# Allegro board RK_EVB7_RK3588_LP4XD200P232SD8_V11_20230111YWQ.brd (continued)
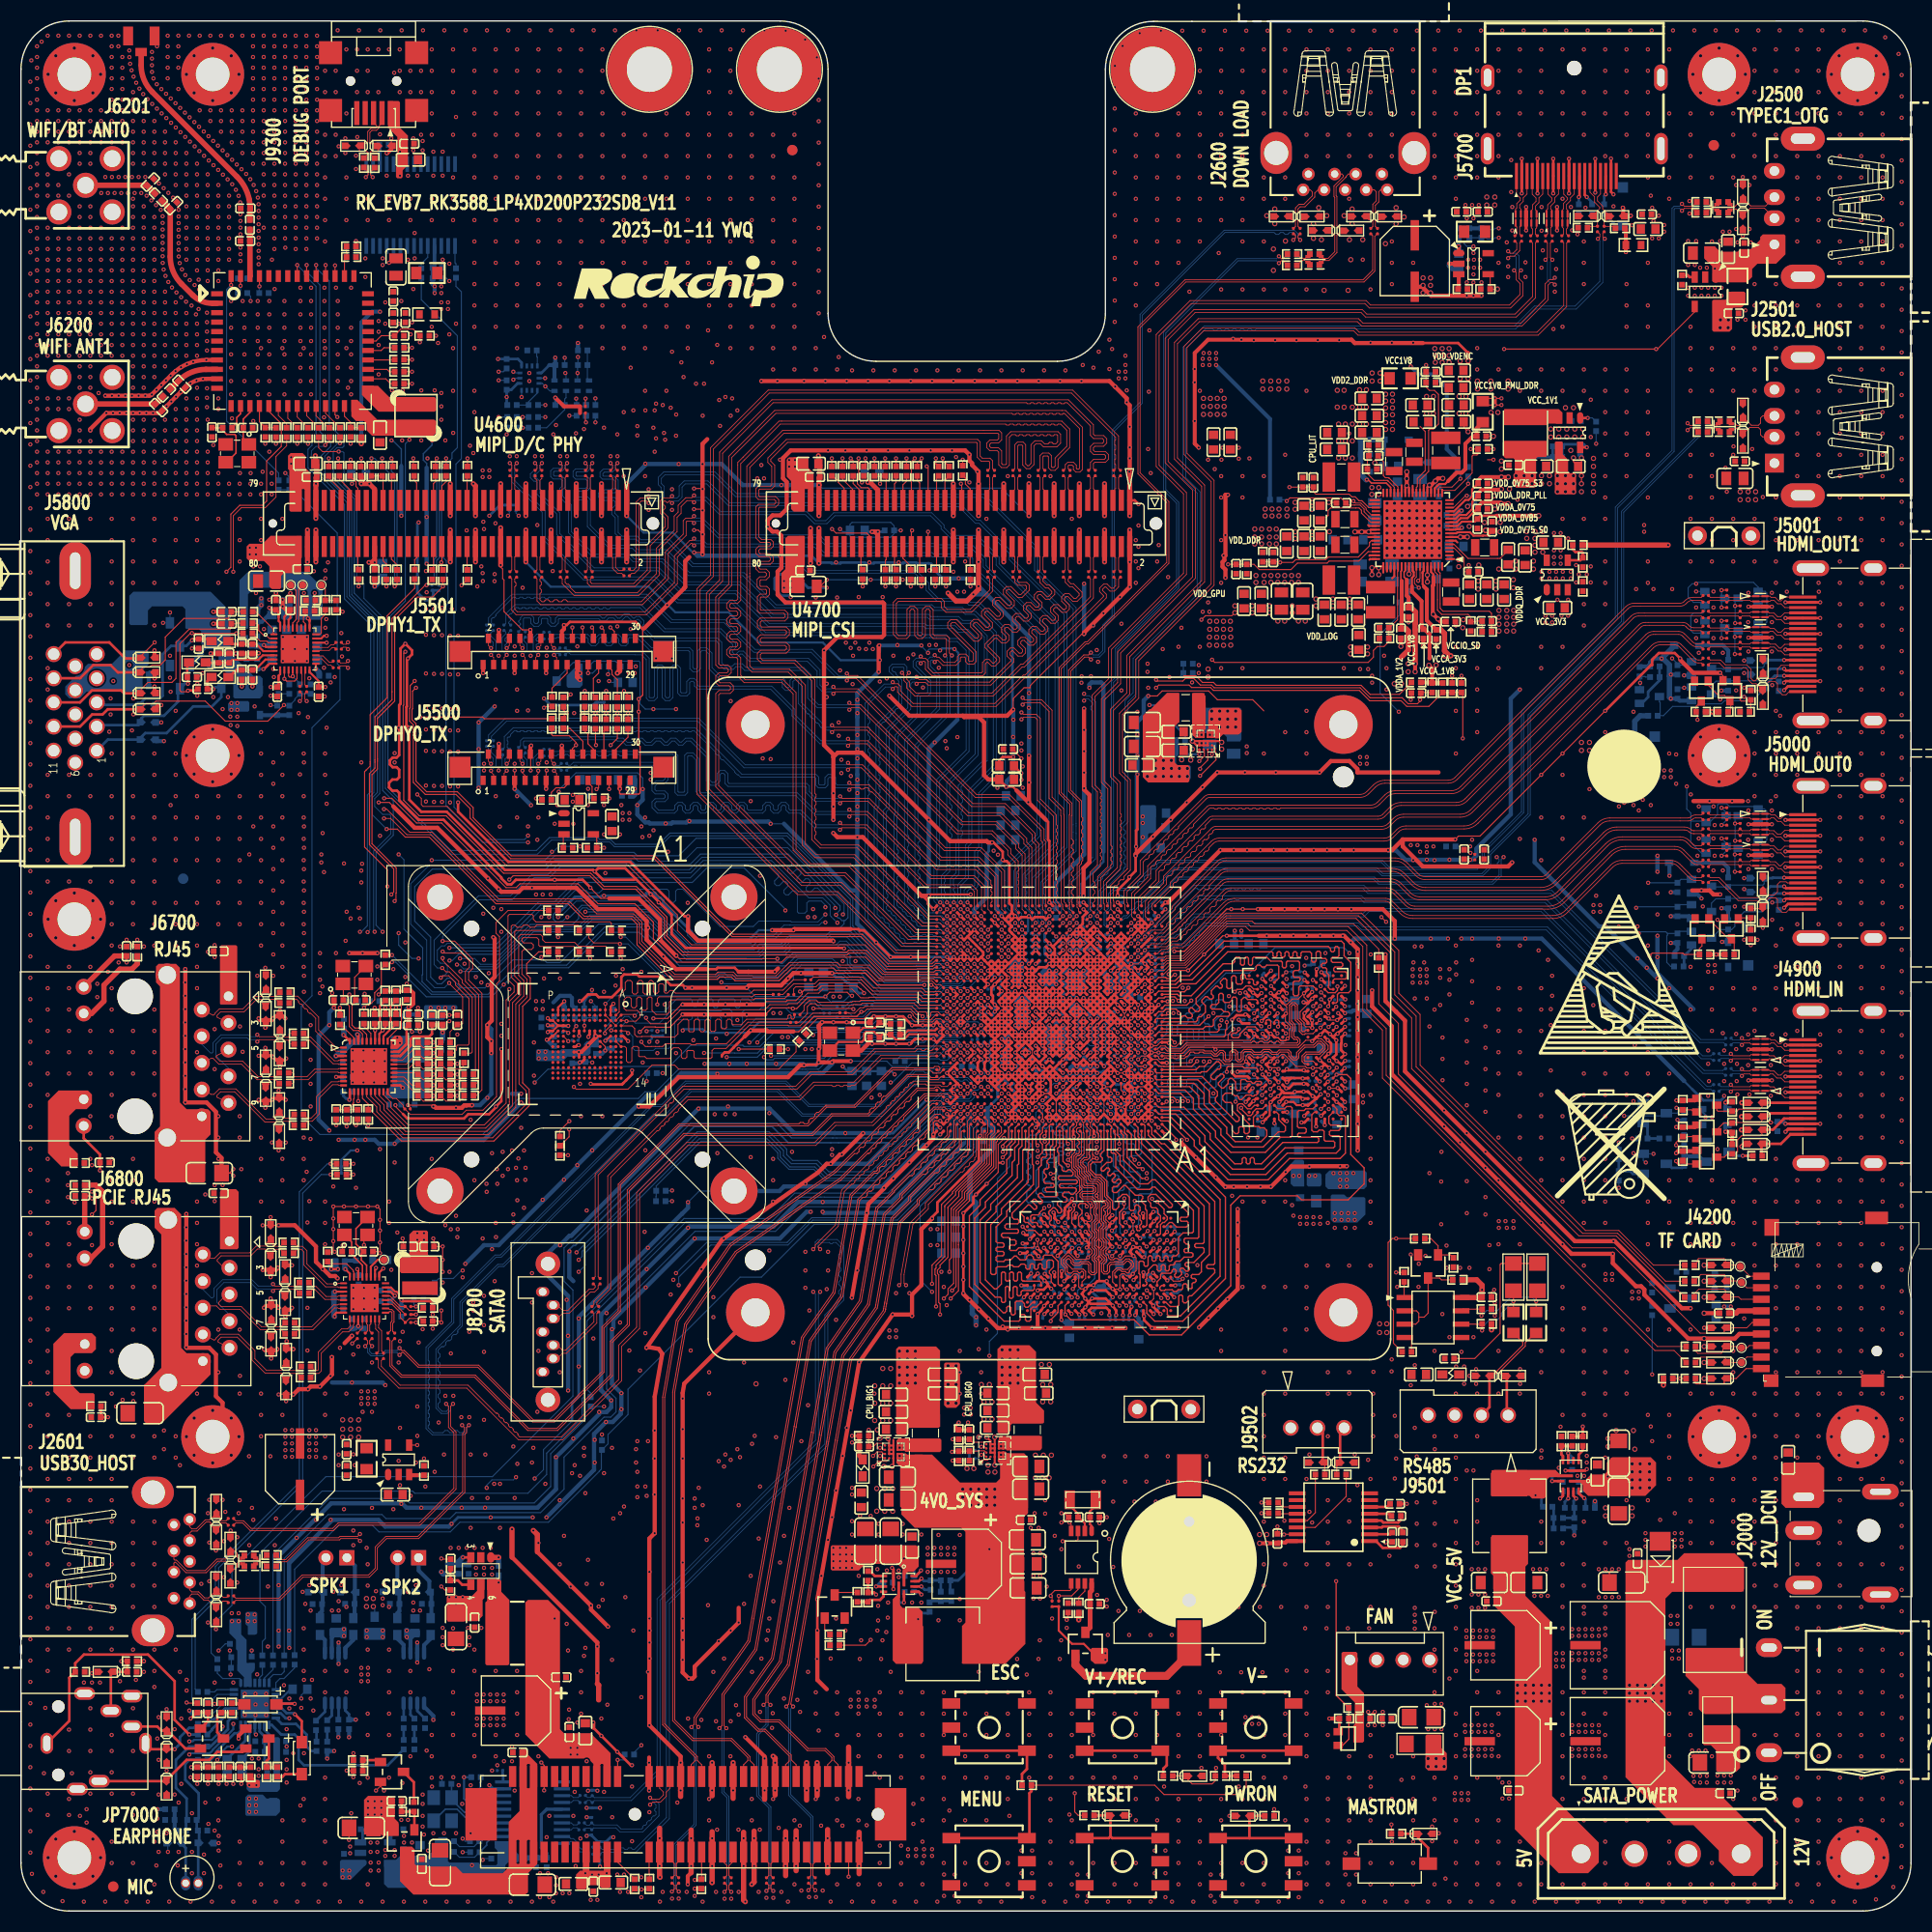
[diagram p0: board, top side]
## Routing (per net, layer and track width the routed paths; a pad name or vN(x,y) marks a point on that pad's centre or on a via; arc(x,y) is an arc through that point) (continued)
UART2_TX_M0_DEBUG: length 130.6
  TOP w0.089: U1000.P29 90.47,82.73 v1(90.79,82.4)
  L3-POWER1 w0.104: v1(48.29,101.77) 48.02,101.5 48.02,98.89 48.04,98.86 48.04,98.55 48.04,97.59 47.54,97.09 47.54,91.91 47.89,91.55 47.89,88.58 48.17,88.3 48.17,85.65 48.17,85.65 48.17,80.04 48.67,79.54 48.79,79.54 48.79,79.56 v1(48.85,79.56)
  L6-S2 w0.089: v1(90.79,82.4) 90.47,82.08 90.47,81.62 90.28,81.43 88.71,81.43 88.39,81.11 88.37,81.09 86.42,81.09
  L6-S2 w0.104: 86.42,81.09 80.04,81.09 78.43,79.48 75.27,79.48 73.45,77.66 51.06,77.66 49.16,79.56 v1(48.85,79.56)
  BOTTOM w0.104: R9301.1 38.13,153.46 41.55,150.03 41.55,139.36 41.05,138.85 41.05,138.34 40.06,137.36 40.06,129.04 40.5,128.6 40.5,126.95 40.67,126.79 40.67,124.5 40.48,124.32 40.48,124.28 40.49,124.28 40.49,123.96 40.48,123.96 40.48,105.25 43.97,101.77 v1(48.29,101.77)
UART3_RX_M2: length 173.9
  TOP w0.089: v1(91.44,94.1) U1000.AL27
  TOP w0.104: R9521.2 v1(118.14,37.89)
  L3-POWER1 w0.089: 90.45,96.28 91.12,95.61 91.12,94.51 91.44,94.18 v1(91.44,94.1)
  L3-POWER1 w0.104: v1(118.14,37.89) 117.75,38.27 117.75,39.16 117.88,39.28 123.6,39.28 128.04,43.73 128.04,49.77 129.84,51.57 129.84,52.77 131.6,54.52 131.6,57.44 130.25,58.8 130.25,63.57 130.12,63.7 130.12,64.4 130.27,64.55 130.27,89.78 129.09,90.96 129.09,91.64 128.24,92.49 128.24,102.08 128.8,102.65 128.8,110.4 127.76,111.44 127.76,118.05 v1(127.53,118.28) ; v1(81.13,120.18) 80.8,119.85 80.8,108.66 88.52,100.94 88.52,98.36 90.07,96.81 90.07,96.69 90.07,96.69 90.07,96.66 90.45,96.28
  L6-S2 w0.104: v1(81.13,120.18) 81.26,120.06 83.11,120.06 84.3,118.87 84.99,118.87 85.83,118.03 87.56,118.03 88.52,118.99 101.17,118.99 101.49,118.66 102.35,118.66 102.42,118.59 105.37,118.59 106.18,119.4 109.01,119.4 110.45,117.96 110.45,117.56 111.37,116.63 125.88,116.63 v1(127.53,118.28)
UART3_TX_M2: length 175.2
  TOP w0.089: U1000.AK27 v1(91.44,93.45)
  TOP w0.104: R9522.2 v1(118.14,38.9)
  L3-POWER1 w0.089: v1(91.44,93.45) 91.12,93.78 91.12,94.24 90.93,94.43 90.66,94.43 90.47,94.62 90.47,94.89 90.28,95.08 90.01,95.08 89.82,95.27 89.82,96.28 89.81,96.28
  L3-POWER1 w0.104: v1(80.48,120.18) 80.56,120.09 80.56,108.57 88.29,100.84 88.29,98.21 89.81,96.69 89.81,96.28 ; v1(128.3,118.28) 128.02,118 128.02,111.55 129.05,110.52 129.05,102.57 128.47,101.99 128.47,92.62 129.33,91.76 129.33,91.1 130.5,89.93 130.5,64.45 130.35,64.3 130.35,63.8 130.48,63.67 130.48,58.95 131.85,57.57 131.85,54.4 130.07,52.62 130.07,51.48 128.3,49.7 128.3,43.6 123.6,38.9 v1(118.14,38.9)
  L6-S2 w0.104: v1(80.48,120.18) 80.88,119.78 82.22,119.78 83.36,118.64 84.88,118.64 85.73,117.79 87.67,117.79 88.63,118.75 100.51,118.75 100.84,118.43 102.25,118.43 102.32,118.36 105.52,118.36 106.33,119.17 108.91,119.17 110.21,117.86 110.21,117.46 111.28,116.4 126.42,116.4 v1(128.3,118.28)
UART9_CTSN_M0_BT: length 120.7
  TOP w0.089: 77.39,89.8 77.62,89.58 80.54,89.58 81.53,88.59 81.75,88.59 86.75,88.59 87.12,88.22 87.57,88.22 U1000.AB33
  TOP w0.104: 77.39,89.8 73.41,89.8 72.21,88.61 68,88.61 67.67,88.94 66.54,88.94 66.34,88.73 61.96,88.73 58.67,92.02 58.67,93.99 58.15,94.51 53.51,94.51 52.1,95.93 45.24,95.93 38.89,102.28 36.6,102.28 35.84,103.04 v1(34.82,103.04) ; U6200.42 v1(27.21,156.76)
  BOTTOM w0.104: v1(27.21,156.76) 27.21,156.12 28.47,154.85 28.47,140.88 29.49,139.87 29.49,139.49 28.6,138.6 28.6,136.98 31.27,134.31 31.27,125.26 33.7,122.83 33.93,122.6 33.93,106.52 33.45,106.04 33.45,104.41 v1(34.82,103.04)
UART9_RTSN_M0_BT: length 134.2
  TOP w0.089: U1000.AB34 87.08,87.93 86.82,88.19 v1(86.69,88.19)
  TOP w0.104: U6200.43 v1(26.31,156.76)
  L6-S2 w0.104: v1(41.85,89.49) 41.85,88.72 41.05,87.93 39.65,87.93 38.89,88.69 38.89,90.97 38.24,91.62 33.92,91.62 v1(32.28,93.26)
  BOTTOM w0.089: 86.45,88.43 v1(86.69,88.19)
  BOTTOM w0.104: 86.45,88.43 86.36,88.52 85.91,88.52 85.76,88.38 85.62,88.38 85.59,88.41 82.22,88.41 78.56,92.07 78.01,92.07 77.7,91.76 73.45,91.76 72.8,91.1 71.02,91.1 70.55,90.63 63.36,90.63 59.59,94.4 54.38,94.4 53.24,93.26 48.79,93.26 45.24,89.7 43.71,89.7 43.5,89.49 v1(41.85,89.49) ; v1(26.31,156.76) 26.98,156.09 26.98,155.84 28.09,154.73 28.09,140.28 27.71,139.9 27.71,139.58 27.33,139.2 27.33,137.44 30.81,133.96 30.81,124.96 33.3,122.47 33.3,106.59 32.99,106.28 32.99,93.84 32.41,93.26 v1(32.28,93.26)
UART9_RX_M0_BT: length 119.1
  TOP w0.089: v1(89.49,88.9) U1000.AC30
  TOP w0.104: U6200.40 v1(29.01,156.76)
  L3-POWER1 w0.086: v1(89.49,88.9) 89.17,89.23 88.71,89.23 88.52,89.42 88.52,89.69 88.32,89.88 88.06,89.88 87.87,90.07 87.87,90.34 87.88,90.35 87.88,90.36
  L3-POWER1 w0.089: 87.88,90.36 86.46,91.79
  L3-POWER1 w0.104: v1(65.43,150.54) 65.43,147.23 71.78,140.89 71.78,135.55 70.64,134.41 70.64,125.52 76.1,120.06 76.1,103.8 76.15,103.75 76.15,93.96 76.55,93.56 76.79,93.56 77.31,93.05 78.37,93.05 79.39,94.07 84.17,94.07 86.46,91.79
  L6-S2 w0.104: v1(29.01,156.76) 30.02,155.74 31.27,155.74 33.3,153.71 62.26,153.71 v1(65.43,150.54)
UART9_TX_M0_BT: length 132.9
  TOP w0.089: U1000.AD31 89.17,89.23 v1(88.84,89.55)
  TOP w0.104: U6200.41 v1(28.11,156.76)
  L6-S2 w0.104: v1(34.44,93.26) 34.97,92.73 36.22,92.73 36.35,92.85 36.85,92.85 36.98,92.73 38.17,92.73 39.63,91.27 39.63,91.25 39.65,91.23 39.65,90.46 39.81,90.3 40.38,90.3 40.6,90.52 v1(40.81,90.52)
  BOTTOM w0.089: 86.42,89.75 87.45,89.75 87.51,89.82 87.53,89.82 87.59,89.88 88.52,89.88 v1(88.84,89.55)
  BOTTOM w0.104: v1(40.81,90.52) 41.07,90.52 41.67,91.12 45.67,91.12 48.51,93.95 52.53,93.95 53.11,94.53 53.11,95.16 53.49,95.54 53.9,95.54 54.06,95.39 59.92,95.39 63.75,91.55 69.82,91.55 70.35,92.09 72.38,92.09 73.2,92.9 76.68,92.9 77.04,93.26 79.02,93.26 82.6,89.68 85.15,89.68 85.15,89.68 85.33,89.68 85.4,89.75 86.42,89.75 ; v1(34.44,93.26) 33.82,93.89 33.82,100.81 35.46,102.45 35.46,105.7 34.44,106.72 34.44,122.81 31.73,125.52 31.73,134.5 29.74,136.49 29.74,139.02 30.1,139.37 30.62,139.37 30.76,139.51 30.76,140.12 29.36,141.52 29.36,155.23 28.11,156.49 v1(28.11,156.76)
USB20_HOST0_DM: length 234.8
  TOP w0.084: v1(32.28,35.9) 32.06,35.68 30.38,35.68 30.25,35.55 27.3,35.55 25.21,33.47 24.74,33.47 R2612.2
  TOP w0.089: U1000.AL6 v1(105.74,94.1)
  L3-POWER1 w0.077: v1(132.74,28.21) 132.97,27.98 133.25,27.98 133.68,28.41 133.68,28.63 133.5,28.8 133.5,29.03 133.68,29.21 133.68,29.44 133.5,29.62 133.5,29.85 133.68,30.03 133.68,30.26 133.5,30.43 133.5,30.66 133.68,30.84 133.68,31.07 133.5,31.25 133.5,31.48 133.68,31.66 133.68,43.02 133.68,43.6 131.79,45.49 131.79,48.4 135.58,52.19 135.58,53.21 136.99,54.62 136.99,59.24 138.9,61.14 138.9,63.03 138.51,63.42 138.51,84.83 139.05,85.38 139.05,97.87 140.77,99.59 140.77,100.15 v1(140.54,100.37)
  L6-S2 w0.077: v1(132.74,28.21) 132.52,27.98 112.42,27.98 112.23,27.79 103.72,27.79 100.94,25.01 56.46,25.01 45.8,35.68 32.51,35.68 v1(32.28,35.9)
  BOTTOM w0.084: v1(140.54,100.37) 140.77,100.15 140.77,99.96 140.69,99.88 140.61,99.8 140.61,99.55 140.69,99.48 140.77,99.4 140.77,98.67 140.1,98 129.37,98 128.91,98.47 110.1,98.47 106.88,95.25 106.88,94.1 106.56,93.78 106.26,93.78 106.2,93.84 106,93.84 v1(105.74,94.1)
USB20_HOST0_DP: length 234.7
  TOP w0.084: R2615.2 24.74,33.26 25.3,33.26 27.38,35.35 30.34,35.35 30.46,35.47 32.06,35.47 v1(32.28,35.25)
  TOP w0.089: v1(105.74,93.45) U1000.AK6
  L3-POWER1 w0.077: v1(132.74,27.55) 132.97,27.78 133.34,27.78 133.88,28.32 133.88,42.93 133.88,42.93 133.88,43.68 131.99,45.58 131.99,48.31 135.79,52.11 135.79,53.13 137.2,54.54 137.2,59.15 139.1,61.06 139.1,63.11 138.71,63.51 138.71,84.75 139.26,85.3 139.26,97.79 140.97,99.5 140.97,100.15 v1(141.2,100.37)
  L6-S2 w0.077: v1(32.28,35.25) 32.51,35.47 45.71,35.47 56.38,24.81 101.02,24.81 103.81,27.59 112.32,27.59 112.5,27.78 132.52,27.78 v1(132.74,27.55)
  BOTTOM w0.084: v1(105.74,93.45) 105.93,93.64 106.11,93.64 106.17,93.58 106.64,93.58 107.09,94.02 107.09,95.16 110.18,98.26 128.82,98.26 129.29,97.8 140.18,97.8 140.97,98.59 140.97,100.15 v1(141.2,100.37)
USB20_HOST1_DM: length 90.8
  TOP w0.084: v1(158.72,141.04) 158.95,141.26 159.32,141.26 R2509.2 ; v1(104.44,94.75) U1000.AM7
  BOTTOM w0.084: v1(158.72,141.04) 158.95,141.26 159.33,141.26 159.53,141.06 159.53,140.4 152.43,133.31 152.43,122.81 143.54,113.92 143.54,104.49 139.75,100.7 139.75,99.41 139.13,98.8 129.7,98.8 129.14,99.35 109.85,99.35 106.62,96.12 106.27,96.12 106.09,95.95 106.09,95.6 105.85,95.36 105.74,95.36 105.63,95.36 105.45,95.18 105.45,95.07 105.45,94.96 105.28,94.78 105.05,94.78 104.79,94.53 104.67,94.53 v1(104.44,94.75)
USB20_HOST1_DP: length 91.1
  TOP w0.084: R2507.2 159.32,141.47 158.95,141.47 v1(158.72,141.69) ; v1(104.44,94.1) U1000.AL7
  BOTTOM w0.084: v1(104.44,94.1) 104.67,94.33 104.88,94.33 105.13,94.58 105.36,94.58 109.93,99.15 129.06,99.15 129.62,98.59 139.22,98.59 139.95,99.33 139.95,100.62 143.74,104.4 143.74,113.83 152.64,122.73 152.64,133.22 159.73,140.32 159.73,141.15 159.41,141.47 158.95,141.47 v1(158.72,141.69)
USB30_2_SSRXN: length 112.6
  TOP w0.084: v1(42.66,46.27) 42.44,46.04 42.44,45.55 42.27,45.38 42.27,39.87 37.87,35.47 34.82,35.47 33.93,34.58 33.93,32.55 33.17,31.79 26.86,31.79 24.66,29.59 20.46,29.59 R2616.1
  TOP w0.091: U1000.J30 v1(89.49,79.8)
  BOTTOM w0.084: v1(89.49,79.8) 89.43,79.8 88.8,80.43 87.76,80.43 87.51,80.18 85.1,80.18 81.75,76.83 75.08,76.83 72.88,79.03 63.27,79.03 61.06,76.82 60.01,76.82 45.66,62.47 45.15,62.47 41.01,58.33 41.01,56.13 38.58,53.69 38.58,45.95 39.17,45.35 42.11,45.35 42.44,45.67 42.44,46.04 v1(42.66,46.27)
USB30_2_SSRXP: length 112.3
  TOP w0.084: v1(42.01,46.27) 42.23,46.04 42.23,45.63 42.06,45.46 42.06,39.95 37.79,35.68 34.74,35.68 33.73,34.67 33.73,32.64 33.09,31.99 26.77,31.99 24.57,29.8 20.46,29.8 R2617.1
  TOP w0.091: U1000.J31 v1(88.84,79.8)
  BOTTOM w0.084: v1(42.01,46.27) 42.23,46.04 42.23,45.76 42.03,45.55 41.77,45.55 41.56,45.76 41.31,45.76 41.1,45.55 40.85,45.55 40.64,45.76 40.39,45.76 40.18,45.55 39.26,45.55 38.78,46.03 38.78,46.22 38.83,46.28 38.89,46.33 38.89,46.58 38.83,46.64 38.78,46.69 38.78,46.94 38.83,47 38.89,47.05 38.89,47.3 38.83,47.36 38.78,47.41 38.78,47.66 38.83,47.72 38.89,47.77 38.89,48.02 38.83,48.08 38.78,48.13 38.78,48.38 38.83,48.44 38.89,48.49 38.89,48.74 38.83,48.8 38.78,48.85 38.78,49.1 38.83,49.16 38.89,49.21 38.89,49.46 38.83,49.52 38.78,49.57 38.78,49.82 38.83,49.88 38.89,49.93 38.89,50.18 38.83,50.24 38.78,50.29 38.78,50.54 38.83,50.59 38.89,50.65 38.89,50.9 38.83,50.95 38.78,51.01 38.78,51.26 38.83,51.31 38.89,51.37 38.89,51.62 38.83,51.67 38.78,51.73 38.78,51.98 38.83,52.03 38.89,52.09 38.89,52.34 38.83,52.39 38.78,52.45 38.78,53.61 41.22,56.04 41.22,58.25 45.24,62.27 45.75,62.27 60.09,76.62 61.14,76.62 63.36,78.83 72.79,78.83 75,76.62 81.83,76.62 85.18,79.97 85.95,79.97 86.13,79.8 86.38,79.8 86.56,79.97 86.81,79.97 86.99,79.8 87.24,79.8 87.42,79.97 87.6,79.97 87.85,80.22 88.71,80.22 88.98,79.95 v1(88.84,79.8)
USB30_2_SSTXN: length 105.8
  TOP w0.084: C2611.1 20.46,36.96 21.11,36.96 21.83,36.24 29.78,36.24 30.28,36.74 38,36.74 41.43,40.17 41.43,45.63 40.92,46.14 40.92,48.08 v1(41.14,48.3)
  TOP w0.091: U1000.H29 v1(90.79,78.5)
  BOTTOM w0.084: v1(90.79,78.5) 90.58,78.72 90.58,78.95 90.16,79.37 85.42,79.37 81.95,75.91 74.45,75.91 72.11,78.24 63.75,78.24 61.42,75.91 60.24,75.91 45.92,61.58 45.41,61.58 41.81,57.99 41.81,55.79 39.52,53.51 39.52,47.89 40.03,47.38 40.6,47.38 40.92,47.7 40.92,48.08 v1(41.14,48.3)
USB30_2_SSTXP: length 105.7
  TOP w0.084: v1(40.49,48.3) 40.72,48.08 40.72,46.06 41.22,45.55 41.22,40.26 37.91,36.95 30.2,36.95 29.69,36.44 21.92,36.44 21.19,37.16 20.46,37.16 C2612.1
  TOP w0.091: U1000.H30 v1(90.14,78.5)
  BOTTOM w0.084: v1(40.49,48.3) 40.72,48.08 40.72,47.79 40.51,47.58 40.11,47.58 39.73,47.97 39.73,48.31 39.9,48.49 39.9,48.74 39.73,48.92 39.73,49.17 39.9,49.35 39.9,49.6 39.73,49.78 39.73,50.03 39.9,50.2 39.9,50.46 39.73,50.63 39.73,50.89 39.9,51.06 39.9,51.31 39.73,51.49 39.73,51.74 39.9,51.92 39.9,52.17 39.73,52.35 39.73,52.6 39.9,52.78 39.9,53.03 39.73,53.21 39.73,53.42 40.05,53.75 40.16,53.75 40.16,53.75 40.27,53.75 40.45,53.92 40.45,54.03 40.45,54.14 40.62,54.32 40.73,54.32 40.84,54.32 41.02,54.5 41.02,54.61 41.02,54.72 41.2,54.9 41.31,54.9 41.42,54.9 41.6,55.08 41.6,55.19 41.6,55.3 42.01,55.71 42.01,57.9 45.49,61.38 46,61.38 60.32,75.71 61.5,75.71 63.83,78.04 72.03,78.04 74.36,75.7 82.04,75.7 84.93,78.6 85.19,78.6 85.36,78.78 85.36,79.03 85.5,79.16 89.33,79.16 89.45,79.03 89.7,79.03 89.83,79.16 90.07,79.16 90.37,78.86 90.37,78.73 v1(90.14,78.5)
USB30_HOST1_SSRXN: length 6.4
  TOP w0.084: R2607.2 121.38,160.44 121.38,160.99 121.29,161.08 121.01,161.08 ED2603.1 120.88,161.61 121.18,161.61 121.38,161.81 121.38,162.2 121.72,162.55 122.18,162.55 122.97,163.34 122.97,163.73 122.78,163.92 J2600.5
USB30_HOST1_SSRXP: length 6.4
  TOP w0.084: J2600.6 123.52,163.92 123.22,163.62 123.22,163.24 122.28,162.3 121.82,162.3 121.62,162.1 121.62,161.81 121.82,161.61 122.12,161.61 122.33,161.41 ED2602.1 122.04,161.08 121.71,161.08 121.62,160.99 121.62,160.44 R2608.2
USB30_HOST1_SSTXN: length 5.7
  TOP w0.084: C2605.2 128.75,160.44 128.75,161 128.66,161.08 128.37,161.08 ED2601.1 128.24,161.61 128.54,161.61 128.75,161.81 128.75,162.54 129.07,162.87 129.07,163.74 128.89,163.92 J2600.8
USB30_HOST1_SSTXP: length 5.5
  TOP w0.084: C2606.2 128.99,160.44 128.99,161 129.07,161.08 129.4,161.08 ED2600.1 129.69,161.41 129.49,161.61 129.19,161.61 128.99,161.81 128.99,162.44 129.31,162.77 129.31,163.74 129.49,163.92 J2600.9
USB30_HOST2_SSRXN: length 5.3
  TOP w0.084: J2601.5 16.06,29.98 16.26,30.19 16.83,30.19 17.41,29.61 17.83,29.61 ED2609.1 19.21,29.5 19.62,29.5 R2616.2
USB30_HOST2_SSRXP: length 5.3
  TOP w0.084: J2601.6 16.06,30.59 16.26,30.39 16.92,30.39 17.49,29.82 17.86,29.82 18.57,30.52 ED2608.1 19.27,29.87 19.6,29.87 R2617.2
USB30_HOST2_SSTXN: length 5.8
  TOP w0.084: C2611.2 19.53,36.96 19.03,36.96 18.95,36.88 18.95,36.61 ED2607.1 18.06,36.75 18.06,36.98 17.99,37.05 17.64,37.05 16.77,36.19 16.26,36.19 16.06,35.98 J2601.8
USB30_HOST2_SSTXP: length 5.7
  TOP w0.084: J2601.9 16.06,36.59 16.26,36.39 16.69,36.39 17.55,37.25 17.98,37.25 ED2606.1 18.95,37.55 18.95,37.25 19.03,37.16 19.53,37.16 C2612.2
USB30_OTG1_DM: length 11.6
  TOP w0.084: L2600.2 123.99,157.19 124.57,157.19 125.32,157.94 125.32,159.62 125.53,159.82 125.88,159.82 ED2604.1 126.09,160.06 125.88,160.26 125.53,160.26 125.32,160.47 125.32,163.29 125.25,163.36 125.25,164.2 126.14,165.09 126.16,165.09 126.21,165.14 126.21,165.22 126.42,165.42 J2600.2
USB30_OTG1_DP: length 11.2
  TOP w0.084: J2600.3 125.81,165.42 125.93,165.29 125.93,165.18 125.04,164.29 125.04,163.28 125.12,163.2 125.12,160.47 124.92,160.26 124.56,160.26 ED2605.1 124.36,160.02 124.56,159.82 124.92,159.82 125.12,159.62 125.12,158.03 124.49,157.39 123.99,157.39 L2600.4
USB_HOST_PWREN_H: length 346.7
  TOP w0.089: U1000.AK26 v1(92.09,92.8)
  TOP w0.104: v1(141.25,148.76) v1(155.73,148.76) 155.85,148.76 159.4,152.3 U2500.4 ; U2600.4 139.92,155.7 R2609.1 v2(140.61,154.47) ; U2601.4 v1(37.74,44.37)
  L3-POWER1 w0.104: v1(150.2,109.71) 150.2,107.16 149.76,106.72 149.76,106.69 149.53,106.47 149.51,106.47 148.47,105.43 148.47,95.83 147.47,94.84 147.47,49.06 136.04,37.63 v1(136.04,22.14) ; v1(53.75,25.06) 53.75,26.69 43,37.44 43,37.51 42.97,37.54 42.97,37.99 40.41,40.55 40.41,41.7 v1(37.74,44.37) ; v1(141.25,148.76) 140.61,149.39 v2(140.61,154.47) ; v1(153.57,114.21) 153.82,114.47 153.82,117.9 155.85,119.93 155.85,148.63 v1(155.73,148.76)
  L6-S2 w0.089: v1(92.09,92.8) 92.09,92.89 91.77,93.21 91.77,93.43 91.77,93.43 91.77,93.59 91.96,93.78 91.96,95.07 92.05,95.16 92.05,96.28
  L6-S2 w0.104: 92.05,96.28 92.05,100.7 92.25,100.91 92.25,101.14 92.48,101.36 93.98,101.36 99.03,106.41 103.98,106.41 104.73,107.16 111.79,107.16 112.12,106.83 112.51,106.44 128.65,106.44 129.47,107.26 148.02,107.26 150.2,109.45 v1(150.2,109.71) 153.57,113.07 v1(153.57,114.21) ; v1(136.04,22.14) 135.28,22.14 132.99,19.85 101.7,19.85 98.17,23.39 56.06,23.39 54.38,25.06 v1(53.75,25.06)
VGA_B: length 4.7
  TOP w0.203: C5829.1 22.41,120.66 23.08,119.99 U5800.5
  TOP w0.254: FB5804.1 20.04,120.66 R5816.1 C5829.1
VGA_B_CON: length 16.2
  TOP w0.254: FB5804.2 17.95,121.14 C5830.1 16.4,121.14 v1(16.28,121.02)
  BOTTOM w0.254: v1(16.28,121.02) 15.74,120.48 D5810.3 14.29,120.48 13.49,119.68 13.49,115.74 13.23,115.48 11.84,115.48 11.46,115.1 D5811.1 7.45,114.87 J5800.3
VGA_DDC_SCL: length 27.8
  TOP w0.104: D5801.1 11.46,119.55 v1(12.73,120.82)
  TOP w0.254: J5800.15 4.23,120.82 8.41,120.82 9.93,119.29 11.4,119.29 D5801.1
  L6-S2 w0.104: v1(23.77,114.85) 23.27,115.36 21.11,115.36 16.79,119.67 15.77,119.67 14.63,120.82 v1(12.73,120.82)
  BOTTOM w0.104: R5805.2 C5807.1 24.41,115.8 R5801.2 23.83,114.79 v1(23.77,114.85)
VGA_DDC_SDA: length 27.5
  TOP w0.104: v1(25.04,114.85) 23.52,113.32 19.46,113.32 17.55,115.23 12.85,115.23 12.6,114.98 11.84,114.98 11.46,114.59 D5802.1
  TOP w0.254: D5802.1 8.26,114.45 7.77,113.96 6.78,113.96 5.62,112.81 J5800.12
  BOTTOM w0.104: C5806.1 R5804.2 26.09,115.44 26.09,115.33 R5800.2 25.1,114.79 v1(25.04,114.85)
VGA_G: length 6.8
  TOP w0.203: C5825.1 20.14,119.17 22.6,119.17 23.03,119.59 U5800.6
  TOP w0.254: FB5803.1 17.63,118.87 R5815.1 C5825.1
VGA_G_CON: length 13.3
  TOP w0.254: FB5803.2 15.83,118.75 C5826.1 15.9,117.45 v1(15.9,116.88)
  BOTTOM w0.254: v1(15.9,116.88) 15.6,116.88 D5806.3 14.95,116.23 14.95,115.17 13.61,113.83 11.71,113.83 11.46,113.58 D5808.1 11.18,112.94 7.35,112.94 J5800.2
VGA_HPDIN_L: length 103.3
  TOP w0.089: v1(91.44,92.15) U1000.AH27
  TOP w0.104: 27.97,124.77 28.02,124.82 R5811.1 ; 27.97,124.77 v1(27.97,125.52) ; 27.97,124.77 R5810.1
  L3-POWER1 w0.089: v1(91.44,92.15) 90.98,92.15 89.82,93.32 89.82,93.59 89.63,93.78 89.36,93.78 89.17,93.97 89.17,94.24 88.98,94.43 88.71,94.43 88.52,94.62 88.52,94.89 88.33,95.08 87.41,95.08 87.22,95.27 87.22,95.93 87.02,96.13
  L3-POWER1 w0.104: v1(79.03,108.09) 79.05,108.12 79.91,108.12 86,102.02 86,96.56 86.26,96.31 86.84,96.31 87.02,96.13 ; v1(27.97,125.52) 28.11,125.37 28.11,119.82 30.81,117.13 30.81,106 28.73,103.93 v1(28.73,102.66)
  L6-S2 w0.104: v1(79.03,108.09) 78.9,108.09 78.42,107.61 61.95,107.61 59.28,104.94 56.54,104.94 56.16,104.56 37.36,104.56 34.82,102.02 29.36,102.02 v1(28.73,102.66)
VGA_HSYNC: length 2.9
  TOP w0.104: R5812.1 22.45,122.65 22.63,122.47 22.63,121.96 23.14,121.45 23.39,121.45 23.66,121.19 U5800.2
VGA_HSYNC_CON: length 23.9
  TOP w0.104: D5805.1 11.46,116.37 12.09,117.01 14.38,117.01 14.76,117.39 14.76,120.82 16.03,122.09 19.93,122.09 20.03,122.19 C5823.1 20.54,122.6 20.59,122.65 R5812.2
  TOP w0.254: D5805.1 9.82,115.97 9.55,116.25 6.76,116.25 5.62,115.11 J5800.13
VGA_R: length 5
  TOP w0.203: R5813.1 C5821.1 22.29,118.19 23.29,119.19 U5800.7
  TOP w0.254: FB5802.1 19.83,117.52 20.51,118.19 R5813.1
VGA_R_CON: length 17.8
  TOP w0.254: v1(18.31,116.37) 18.14,116.37 C5822.1 17.75,117.11 FB5802.2
  BOTTOM w0.254: J5800.1 8.27,111.57 D5804.1 11.46,111.8 11.84,112.18 13.87,112.18 16.41,114.72 18.19,114.72 19.08,115.61 D5803.3 18.48,116.54 v1(18.31,116.37)
VGA_SCL: length 3.8
  TOP w0.104: U5800.10 v1(25.08,117.35) 25.3,117.13 26.06,117.13 26.28,117.36 U5800.13
  BOTTOM w0.104: v1(25.08,117.35) 25.55,116.88 R5805.1
VGA_SDA: length 2.7
  TOP w0.104: U5800.12 v1(25.88,117.59) 25.81,117.52 25.59,117.52 25.48,117.62 U5800.11
  BOTTOM w0.104: v1(25.88,117.59) 26.57,116.91 R5804.1
VGA_VSYNC: length 3.2
  TOP w0.104: R5814.1 22.38,123.74 24.03,122.09 24.03,121.64 U5800.1
VGA_VSYNC_CON: length 22.9
  TOP w0.104: D5807.1 11.44,118.27 11.64,118.46 12.27,118.46 12.47,118.66 13.26,118.66 13.74,119.14 13.74,121.33 15.52,123.1 19.71,123.1 20.03,123.43 C5824.1 R5814.2
  TOP w0.254: D5807.1 9.23,117.96 8.53,118.66 6.88,118.66 5.63,117.41 J5800.14
VSEL5: length 230.7
  TOP w0.089: v1(90.14,84.35) 89.82,84.03 U1000.T30
  L3-POWER1 w0.104: v1(127.28,40.55) 127.28,41.14 129.18,43.04 129.18,49.28 130.98,51.08 130.98,52.48 133.25,54.75 133.25,57.83 132.11,58.97 132.11,61.76 131.6,62.27 131.6,63.29 132.11,63.79 132.11,85.51 131.6,86.02 131.6,91.61 131.39,91.82 131.39,105.96 131.72,106.29 131.72,106.34 133.02,107.63 133.02,112.41 v1(131.22,114.21) ; v1(67.21,81.32) 61.48,75.6 61.48,69.29 61.16,68.97 61.16,60.52 61.16,60.33 61.16,60.33 61.16,60.27 60.92,60.03 60.92,49.61 60.73,49.42 60.73,49.42 59.08,47.76 59.08,42.2 v1(58.7,41.82)
  L6-S2 w0.104: v1(127.28,40.55) 126.9,40.17 97.18,40.17 94.39,37.38 91.21,37.38 90.37,38.22 89.57,38.22 89.57,38.23 84.67,38.23 83.61,39.28 74.45,39.28 72.18,41.55 58.98,41.55 v1(58.7,41.82)
  BOTTOM w0.089: v1(90.14,84.35) 89.82,84.03 89.82,83.57 89.44,83.19 87.22,83.19 87.03,83.38 86.67,83.38 86.14,82.84 ; 84.35,82.97 84.86,82.97 84.99,82.84
  BOTTOM w0.104: v1(131.22,114.21) 129.44,115.99 129.44,121.58 131.27,123.42 R1115.1 ; 84.35,82.97 80.75,82.97 80.26,82.48 71.29,82.48 70.13,81.32 v1(67.21,81.32) ; 84.99,82.84 85.11,82.72 86.01,82.72 86.14,82.84
WIFI_CLK: length 2.4
  TOP w0.086: U6200.18 25.41,142.17 R6207.2
WIFI_CMD: length 2.4
  TOP w0.086: R6206.2 25.3,141.65 24.51,142.44 U6200.17
WIFI_D0: length 2.7
  TOP w0.086: R6210.2 29.24,141.26 28.11,142.39 U6200.21
WIFI_D1: length 2.6
  TOP w0.086: R6211.2 29.01,142.64 U6200.22
WIFI_D2: length 2.5
  TOP w0.086: R6209.2 27.21,142.4 U6200.20
WIFI_D3: length 2.5
  TOP w0.086: U6200.19 26.31,142.29 R6208.2
WIFI_REG_ON_H: length 122.7
  TOP w0.089: v1(89.49,83.7) 89.82,83.38 U1000.R30
  TOP w0.104: v1(24.28,139.74) R6201.1
  L3-POWER1 w0.089: v1(89.49,83.7) 89.17,84.03 89.17,84.49 88.98,84.68 88,84.68 86.42,86.27
  L3-POWER1 w0.102: 86.42,86.27 86.39,86.29
  L3-POWER1 w0.104: 86.39,86.29 86.15,86.53 85.39,86.53 83.62,88.3 76.95,88.3 73.68,91.57 73.17,91.57 71.92,92.82 71.92,93.82 71.4,94.34 71.4,101.53 66.87,106.06 66.87,140.07 65.77,141.18 65.77,141.98 66.55,142.77 66.55,143.9 v1(66.5,143.9)
  L6-S2 w0.104: v1(66.5,143.9) 66.55,143.9 66.55,143.93 66.3,143.93 66.15,144.08 58.7,144.08 58.09,144.69 50.44,144.69 50.19,144.44 49.43,144.44 48.77,145.09 43.44,145.09 42.57,145.96 35.71,145.96 33.43,143.68 28.22,143.68 v1(24.28,139.74)
WIFI_REG_ON_S: length 3.3
  TOP w0.104: U6200.15 22.71,141.84 R6202.1 24.27,141.28 R6201.2
WIFI_WAKE_HOST_H: length 158.7
  TOP w0.089: v1(90.79,79.8) 90.47,80.13 U1000.K29
  TOP w0.104: U6200.16 23.61,142.83 24.79,141.65 24.79,139.49 23.39,138.09 23.39,134.28 22.99,133.88 20.83,133.88 19.99,133.03 19.99,127.97 v1(19.56,127.55)
  L3-POWER1 w0.104: v1(20.98,70.65) 21.51,71.18 21.51,96.41 13.72,104.2 13.72,110.64 17.19,114.11 17.19,117.21 19.84,119.85 19.84,127.28 v1(19.56,127.55)
  L6-S2 w0.089: 86.42,80.11 86.6,80.11 86.62,80.13 90.47,80.13 v1(90.79,79.8)
  L6-S2 w0.104: 86.42,80.11 80.48,80.11 78.89,78.53 75.97,78.53 74.07,76.62 69.5,76.62 68.22,75.35 66.95,75.35 66.7,75.6 66.7,75.78 65.29,77.2 48.48,77.2 45.75,74.46 35.84,74.46 34.32,72.94 29.11,72.94 26.82,70.65 v1(20.98,70.65)
XIN24M: length 12
  TOP w0.203: Y1100.3 77.86,82.77 80.09,82.77 80.29,82.98 80.29,83.53 80.49,83.73 81.25,83.73 C1102.1 82.01,83.48 R1103.2 82.82,83.48 83.3,83 84.09,83 84.6,83.51 87.09,83.51 U1000.R34
XOUT24M: length 4.7
  TOP w0.203: U1000.T34 87.05,83.86 84.48,83.86 84.1,83.48 R1103.1 R1101.2
N14549718: length 5.7
  L3-POWER1 w0.381: v1(161.95,95.5) 162.2,95.25 162.2,92.5 v1(162.01,92.3)
  BOTTOM w0.381: v1(161.95,95.5) R5001.1 R5004.1 ; D5000.2 v1(162.01,92.3)
N16895373: length 1.8
  TOP w0.203: v1(56.42,86.4) 56.15,86.14 U4000.C2
  BOTTOM w0.104: C4009.1 v1(56.42,86.4)
N17187928: length 1.3
  TOP w0.254: U2500.3 158.91,155.61 158.73,155.79 158.2,155.79 R2505.1
N17200572: length 1.4
  BOTTOM w0.508: C8120.1 35.13,7.4 U8101.4
N17201737: length 2.5
  BOTTOM w0.254: U8101.3 32.54,6.74 32.54,7.6 R8106.2 R8109.1
N17202767: length 8
  BOTTOM w0.152: U8102.5 44.71,9.04 44.09,8.42 C8128.1 43.78,8.63 43.48,8.93 42.3,8.93 41.54,9.69 40.41,9.69 Y8100.1
N17202820: length 3.8
  BOTTOM w0.152: R8121.1 42.21,9.41 41.01,10.62 Y8100.3 41.01,12.09 C8129.1
N17209936: length 2.3
  BOTTOM w0.152: U8102.6 44.01,9.69 R8121.2
N17209939: length 1.1
  BOTTOM w0.254: R8129.1 45.87,13.37 45.87,13 45.92,12.95 U8102.10
N17209946: length 8.6
  BOTTOM w0.305: U8102.15 50.06,9.69 49.56,9.18 49.56,6.01 50.06,5.5 C8136.1
  BOTTOM w0.508: C8136.1 C8135.1 48.04,5.06 R8130.2
N17368372: length 10.2
  TOP w0.254: SW9200.2 SW9200.3 108.88,15.27 109.12,15.03 109.12,13.88 108.8,13.56 R9200.2
N17369190: length 10.9
  TOP w0.254: 103.76,7.1 ED9201.1 103.74,9.11 R9201.2 ; 103.76,7.1 103.6,6.94 SW9201.3 ; 103.76,7.1 103.92,6.94 SW9201.2
N17704968: length 2.4
  BOTTOM w0.254: Q5001.1 159.1,91.65 R5003.2 158.39,90.01 C5010.1
N17706314: length 4.4
  BOTTOM w0.254: Q5008.1 154.37,115.01 154.97,115.61 154.97,116.12 156.05,117.2 C5025.1 R5023.2
N17716140: length 2.5
  BOTTOM w0.508: C2261.2 129.76,138.86 D2200.2 R2216.2
N17720882: length 1.7
  BOTTOM w0.254: v1(85.44,27.8) C2008.2 86.4,28.36 R2004.1
N17720886: length 2.1
  BOTTOM w0.254: 87.61,29.53 R2006.1 ; 87.61,29.53 C2009.1 ; 87.61,29.53 86.66,29.53 R2004.2
N17720900: length 3.9
  TOP w0.254: v1(85.75,31.66) 85.75,31.66 85.5,31.41 U2000.11